# Altium PCB main.PcbDoc (part 1 of 3)
Units mm, origin at the board's own origin, x right, y up, seen from the top; angles counter-clockwise.
Board outline 90 x 82 mm, 6 copper layers (Layer 1 SIG, Layer 2 GND, Layer 3 SIG, Layer 4 GND, Layer 5 GND, Layer 6 PWR), stack 1.548 mm thick; 228 components, 153 nets, 809 pads, 905 vias.
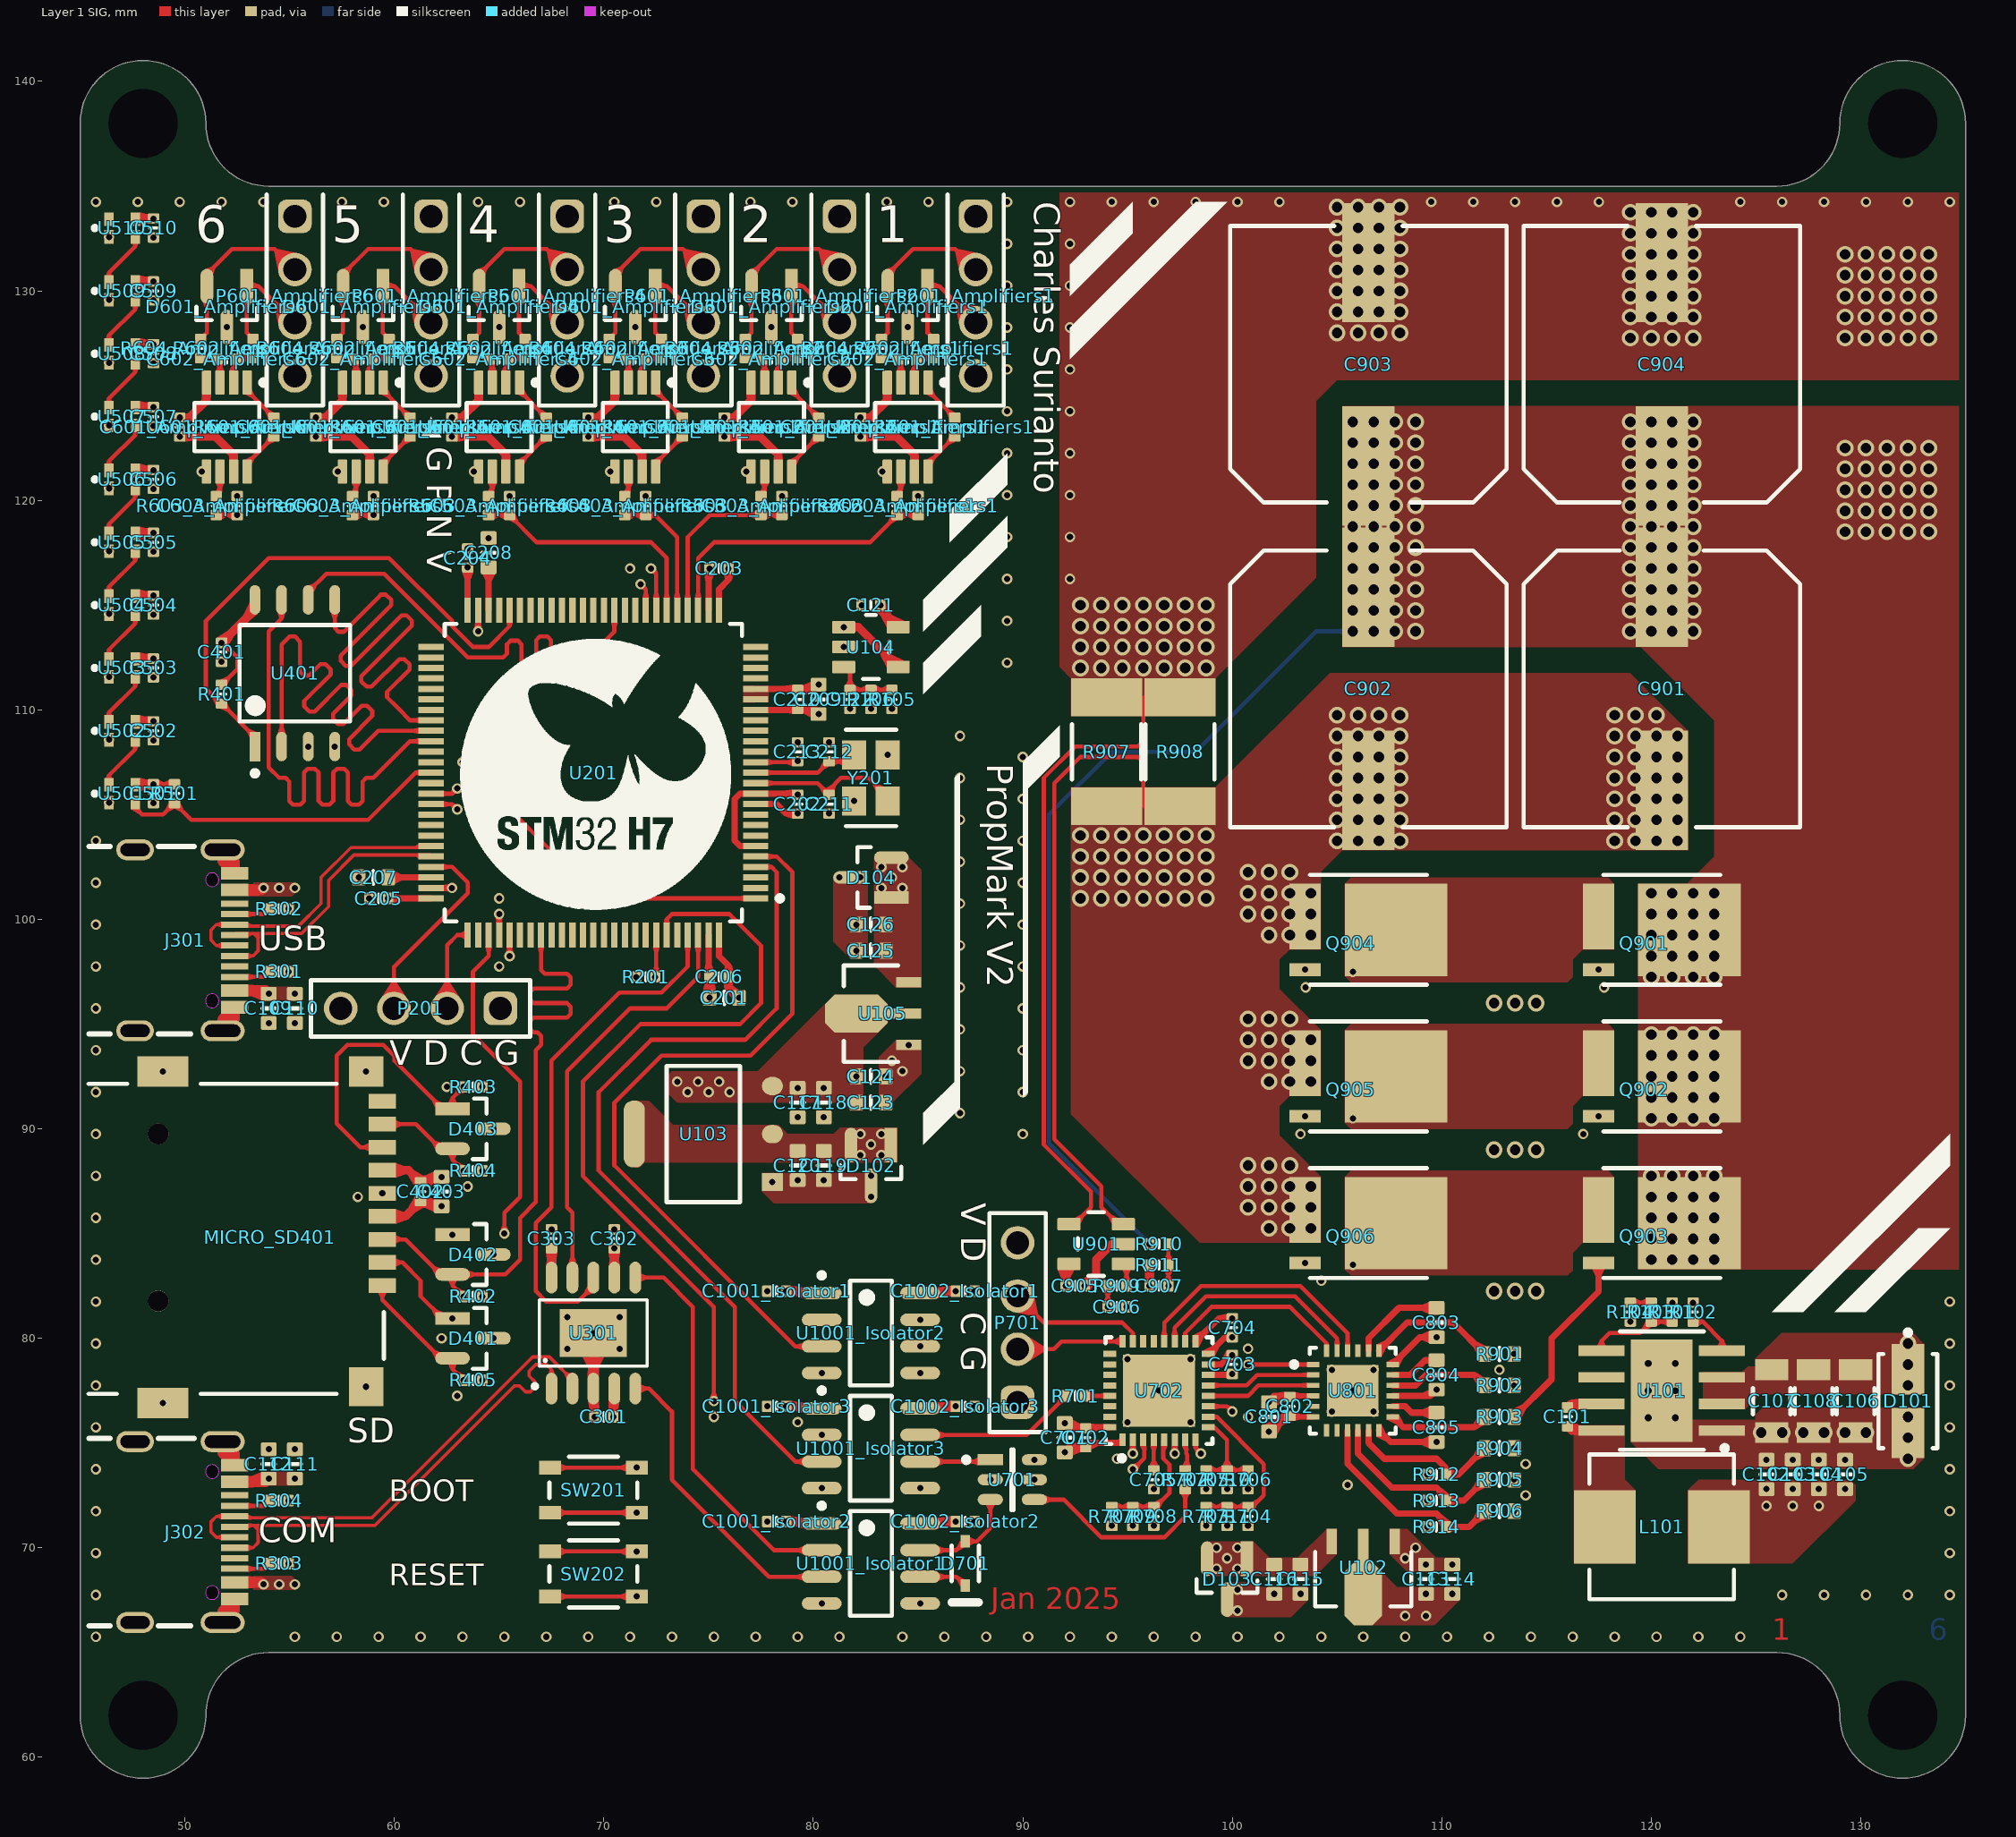
[diagram p0: Layer 1 SIG view]
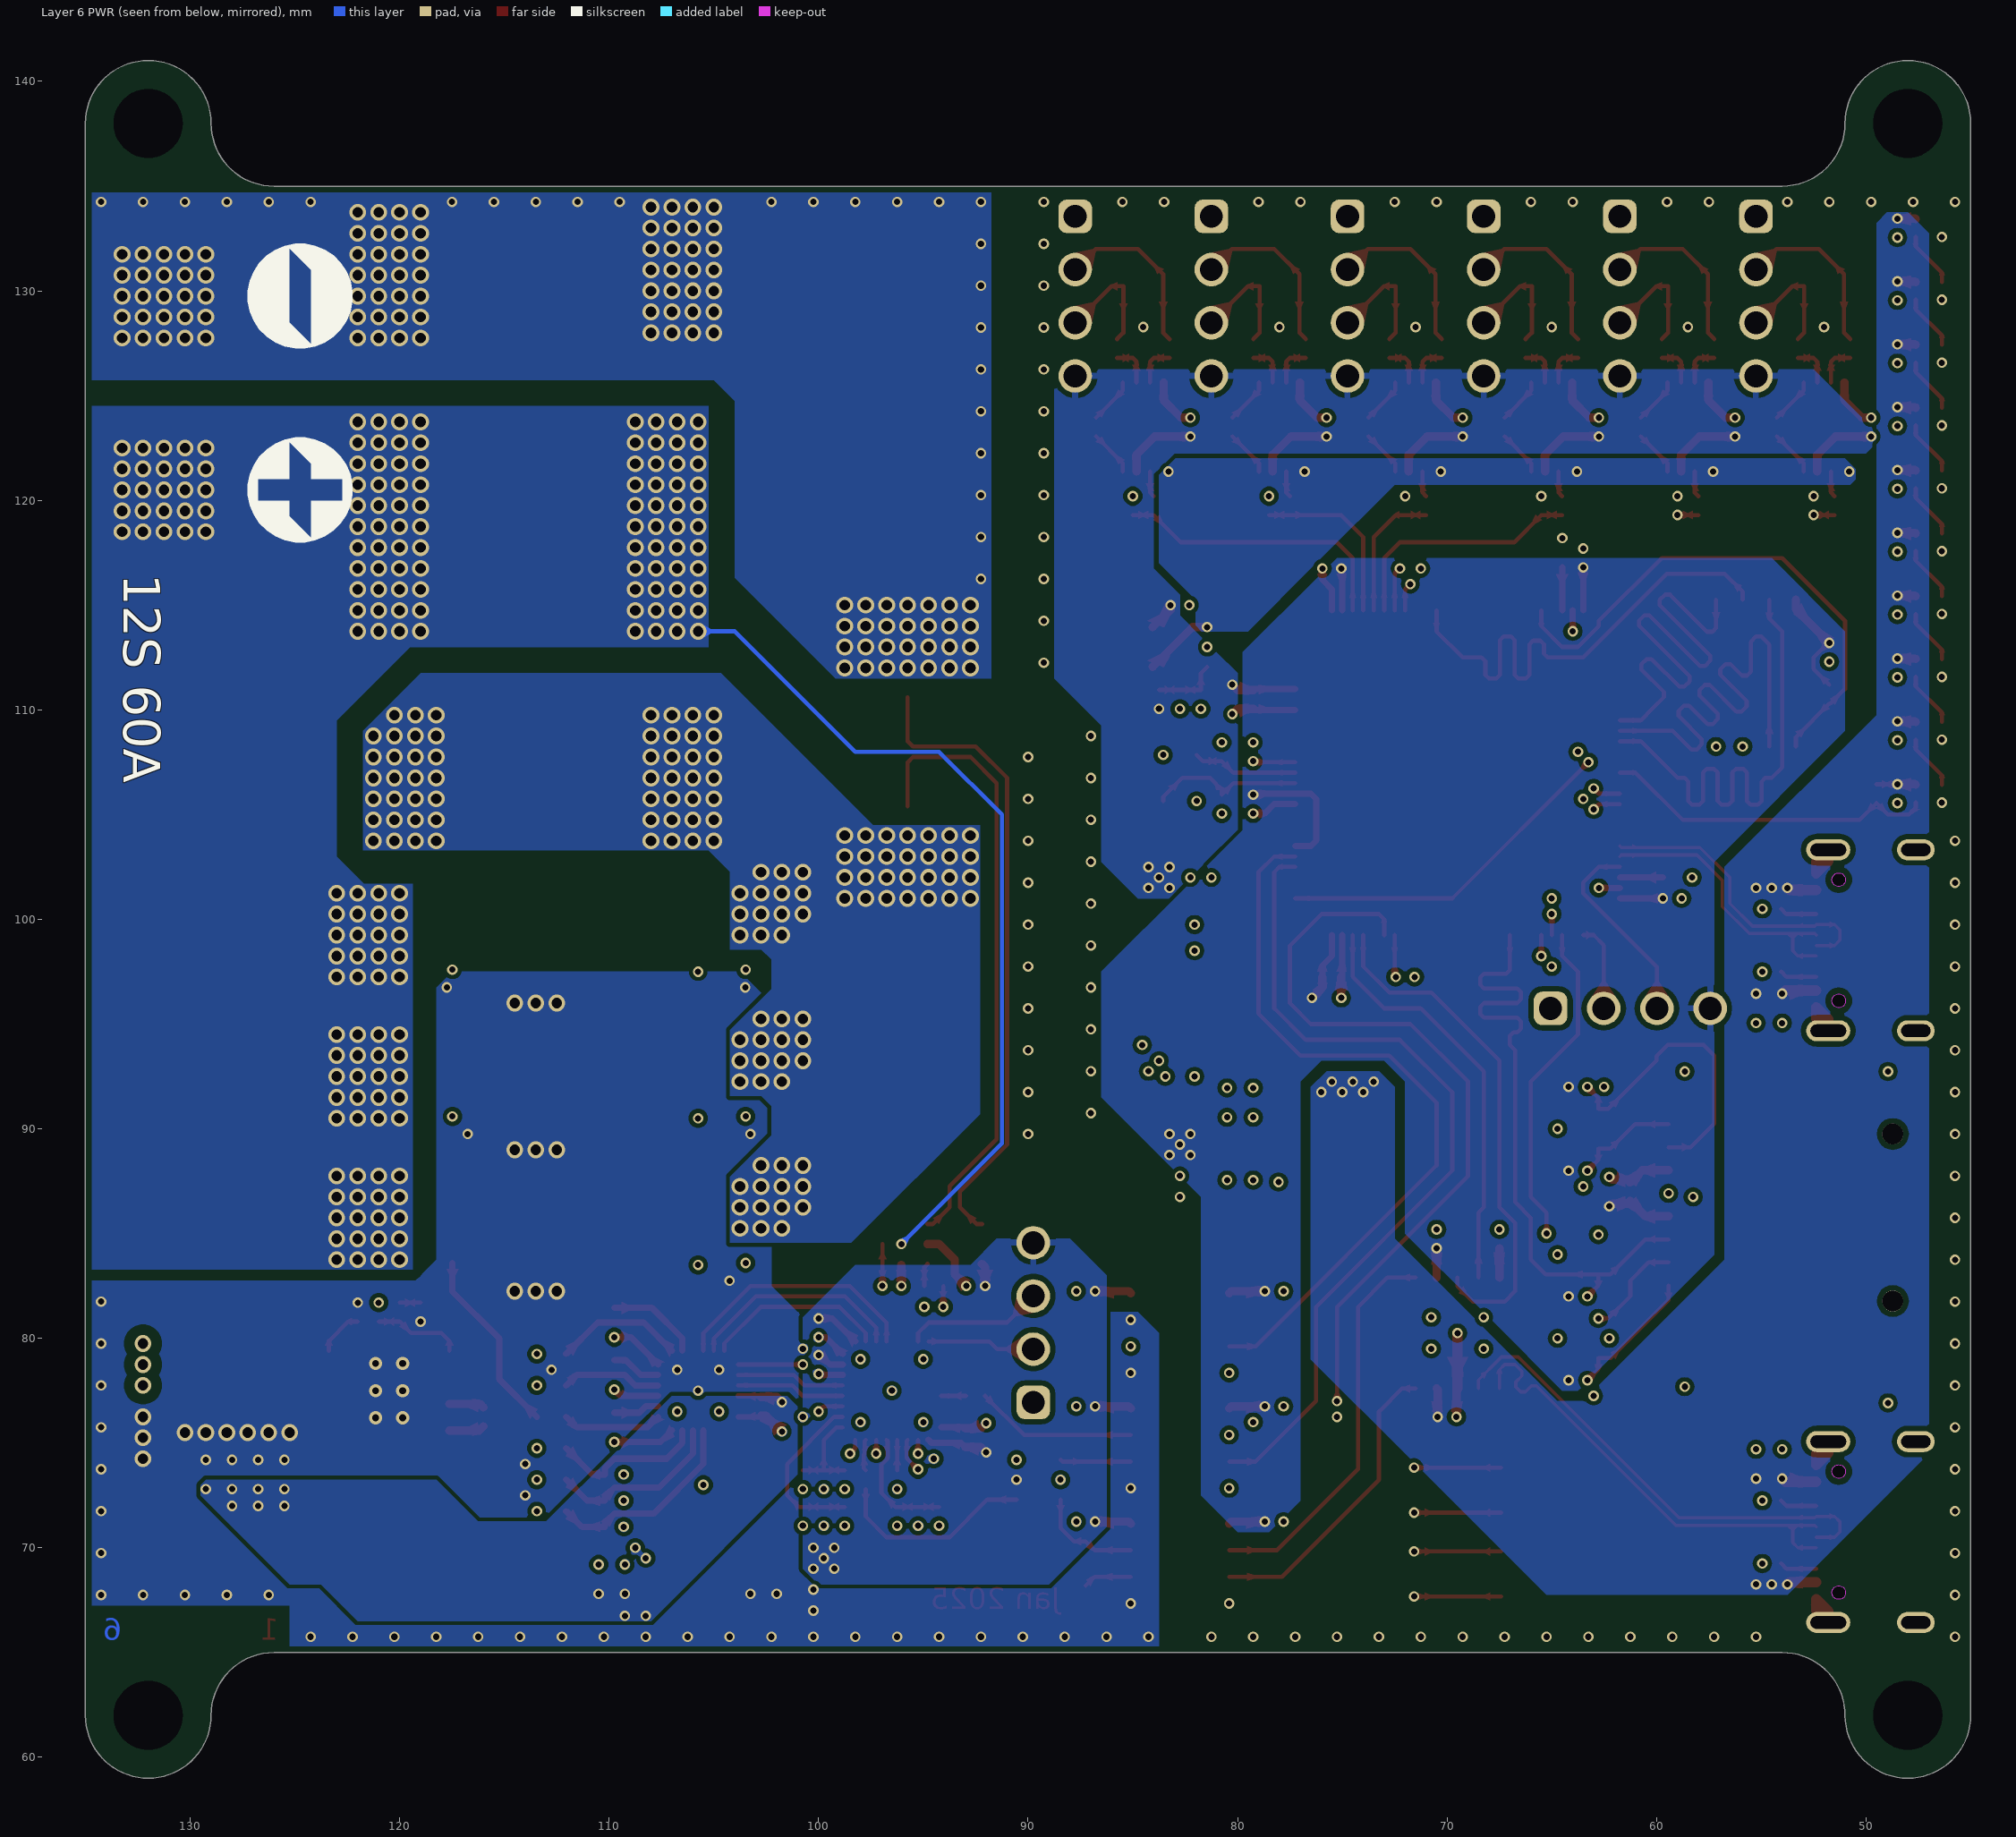
[diagram p1: Layer 6 PWR view, seen from below]
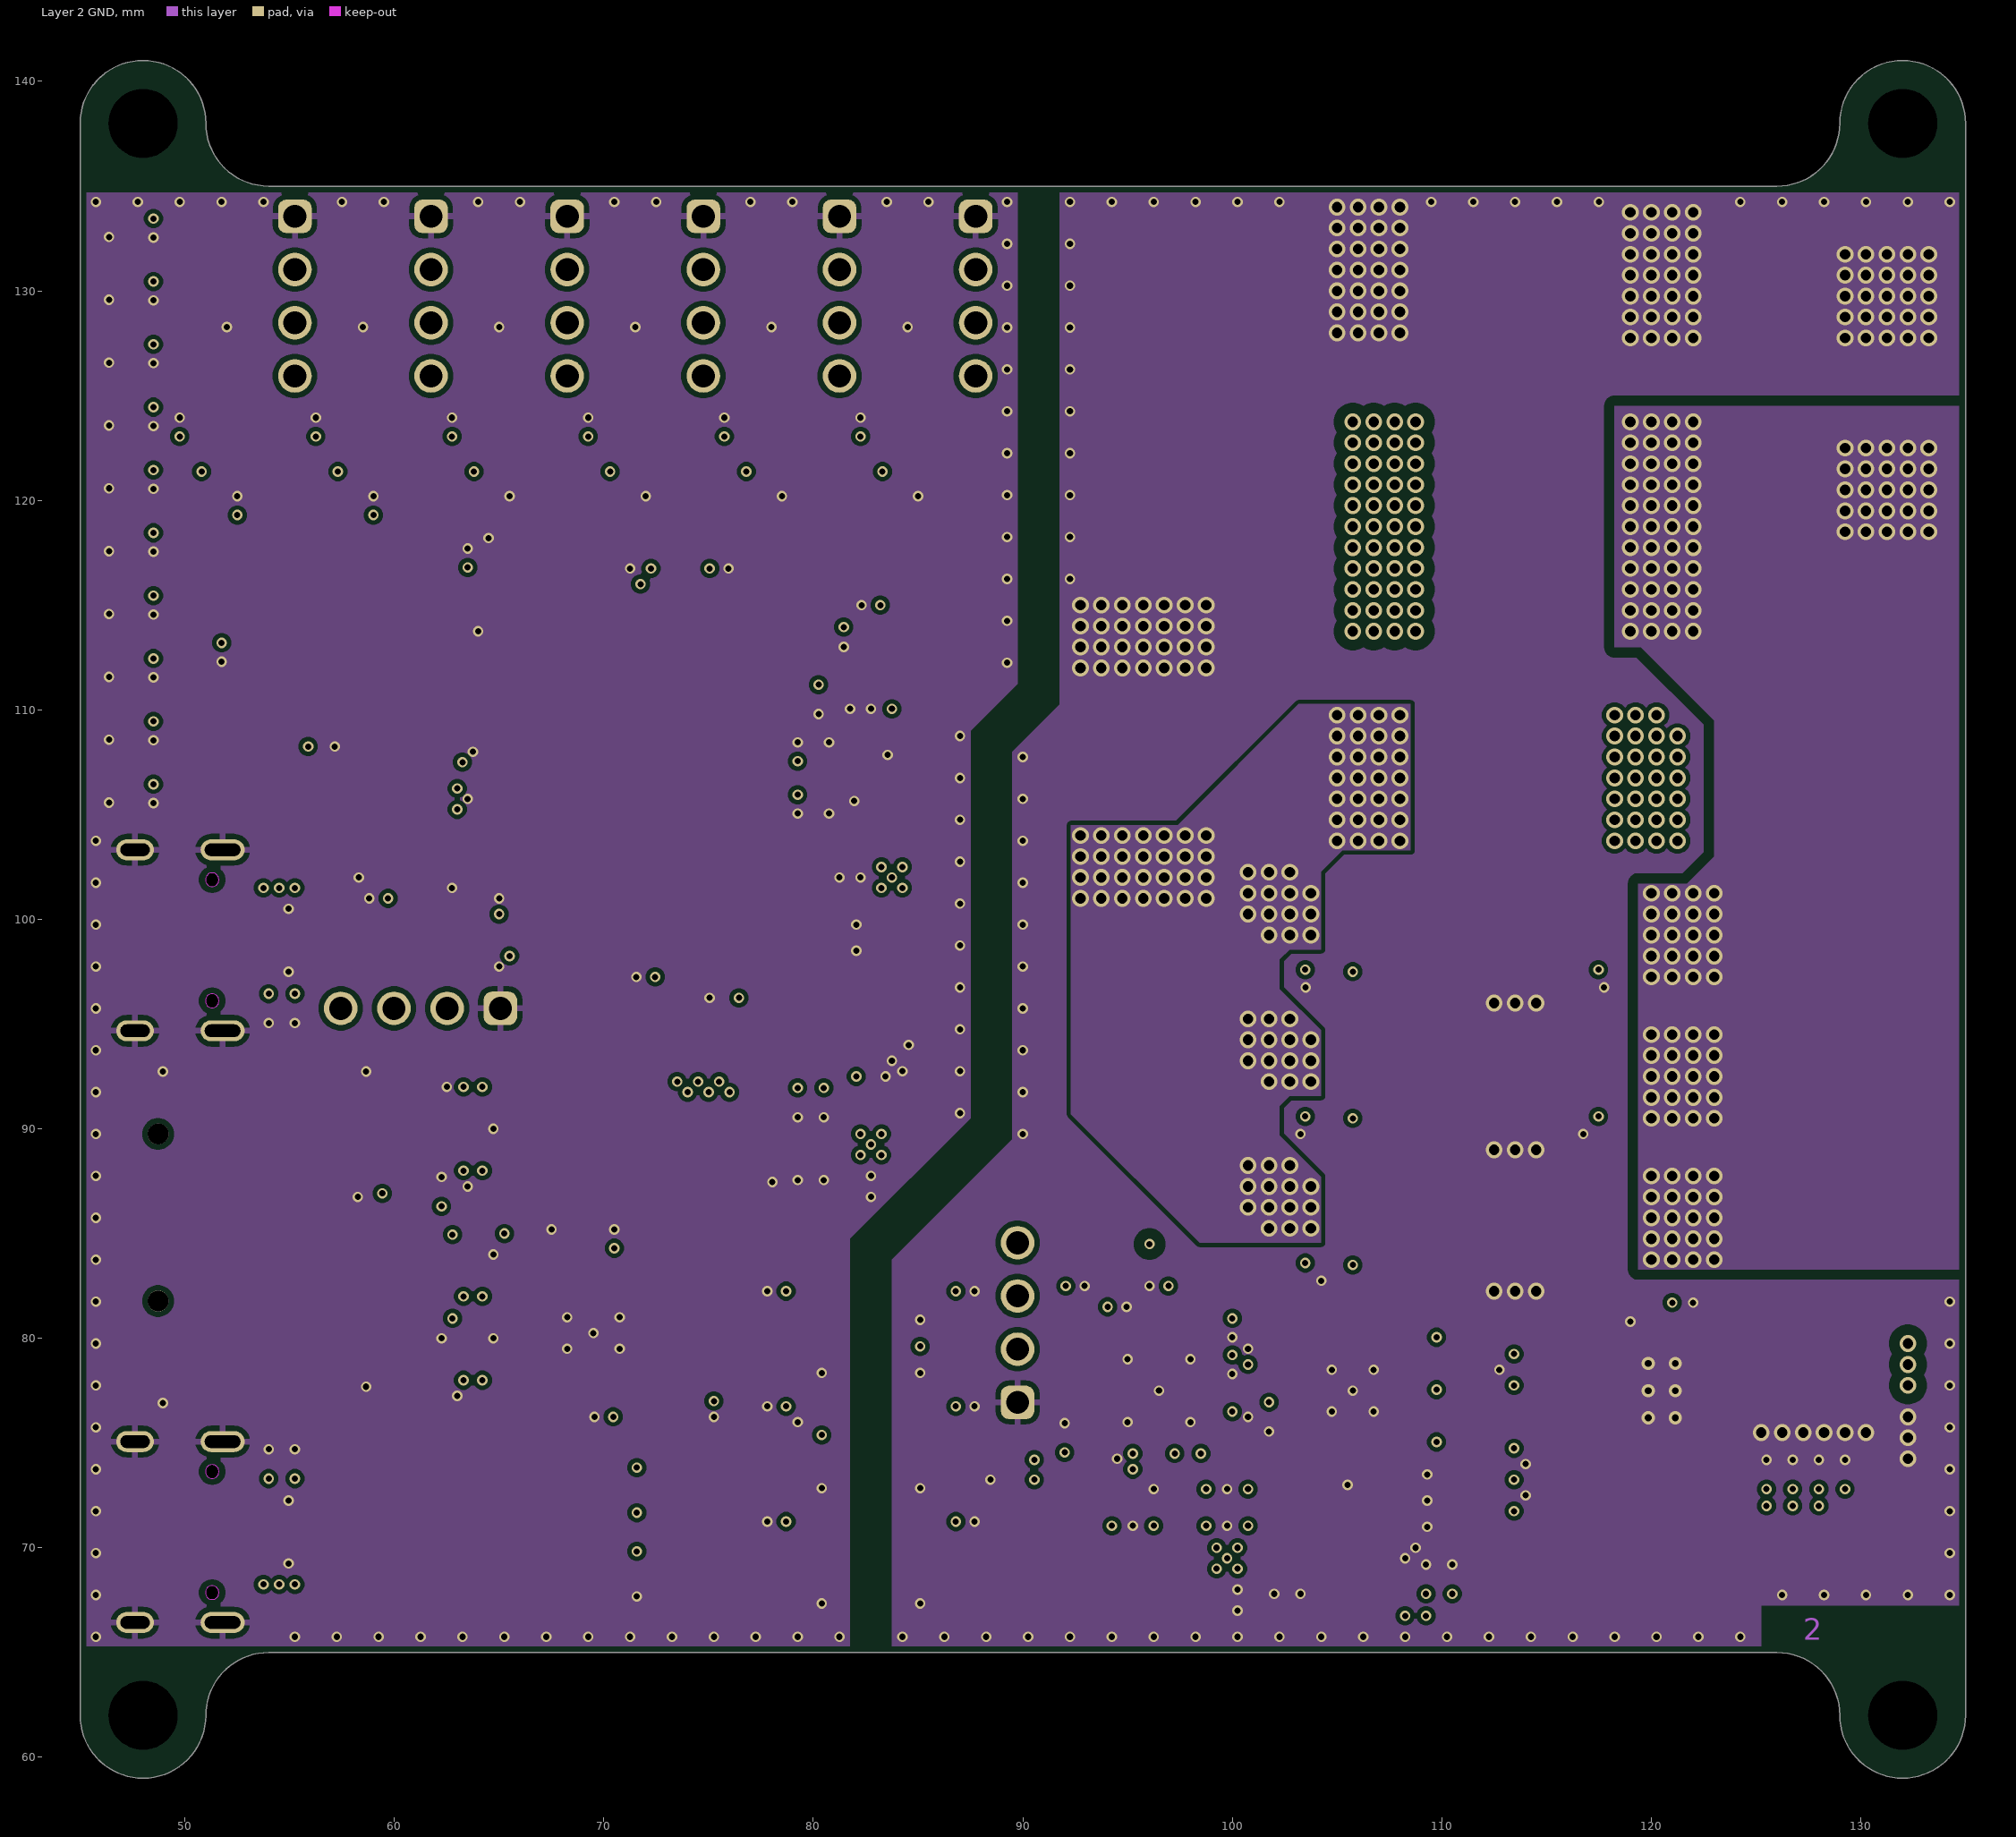
[diagram p2: Layer 2 GND]